# Altium PCB PCB1.PcbDoc (part 1 of 3)
Units mm, origin at the board's own origin, x right, y up, seen from the top; angles counter-clockwise.
Board outline 100 x 72 mm, 4 copper layers (Top Layer(signal), Int1 (GND), Int2 (3v3), Bottom Layer(powersupply_signals)), stack 1.509 mm thick; 175 components, 113 nets, 586 pads, 227 vias.
Unrouted connection lines stored in the file: 49.
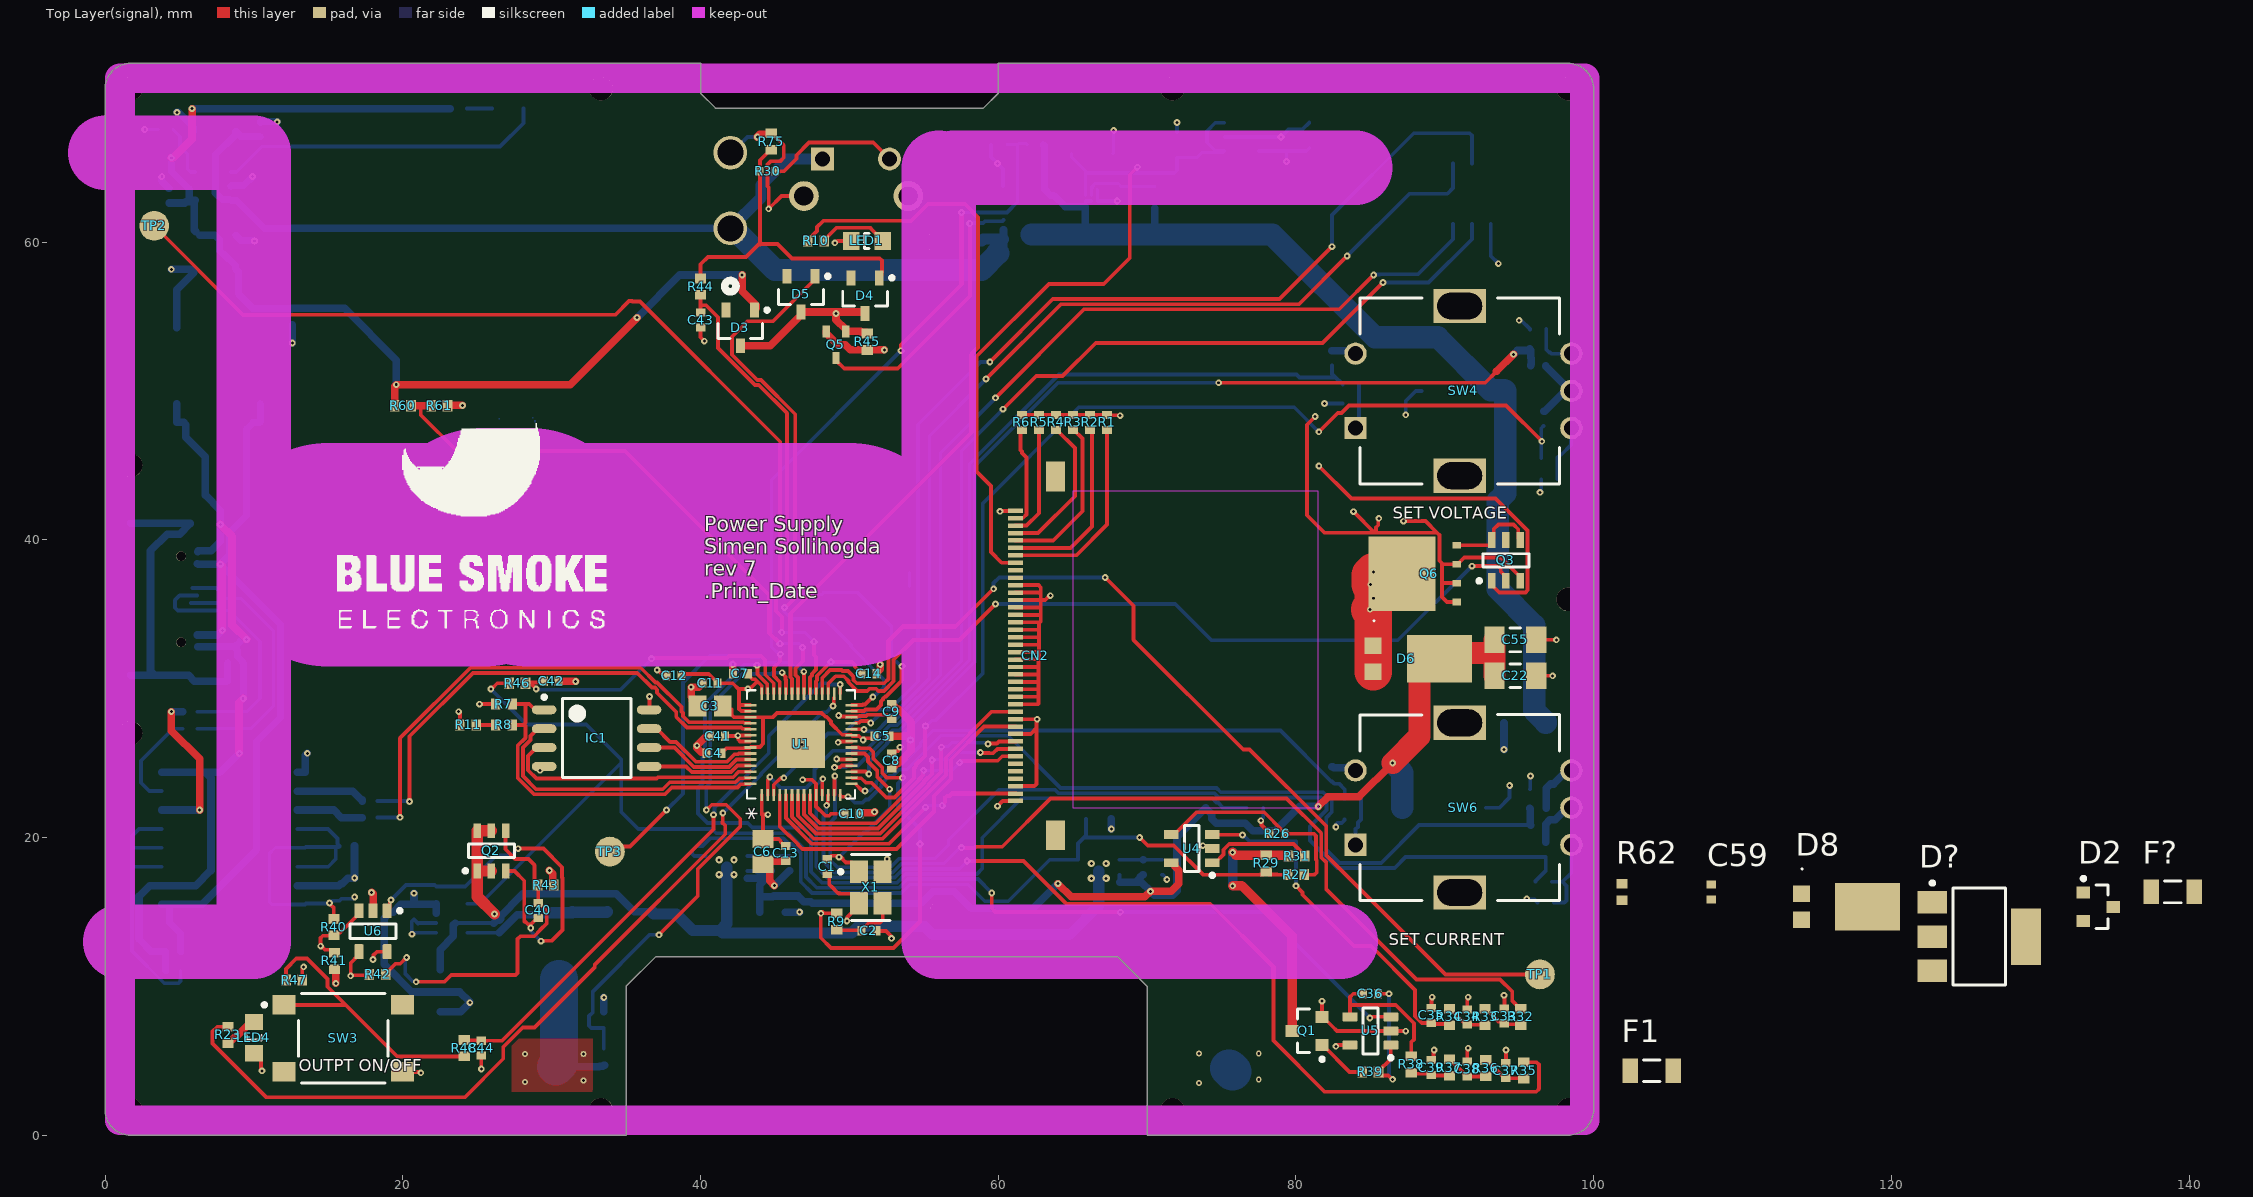
[diagram p0: Top Layer(signal) view]
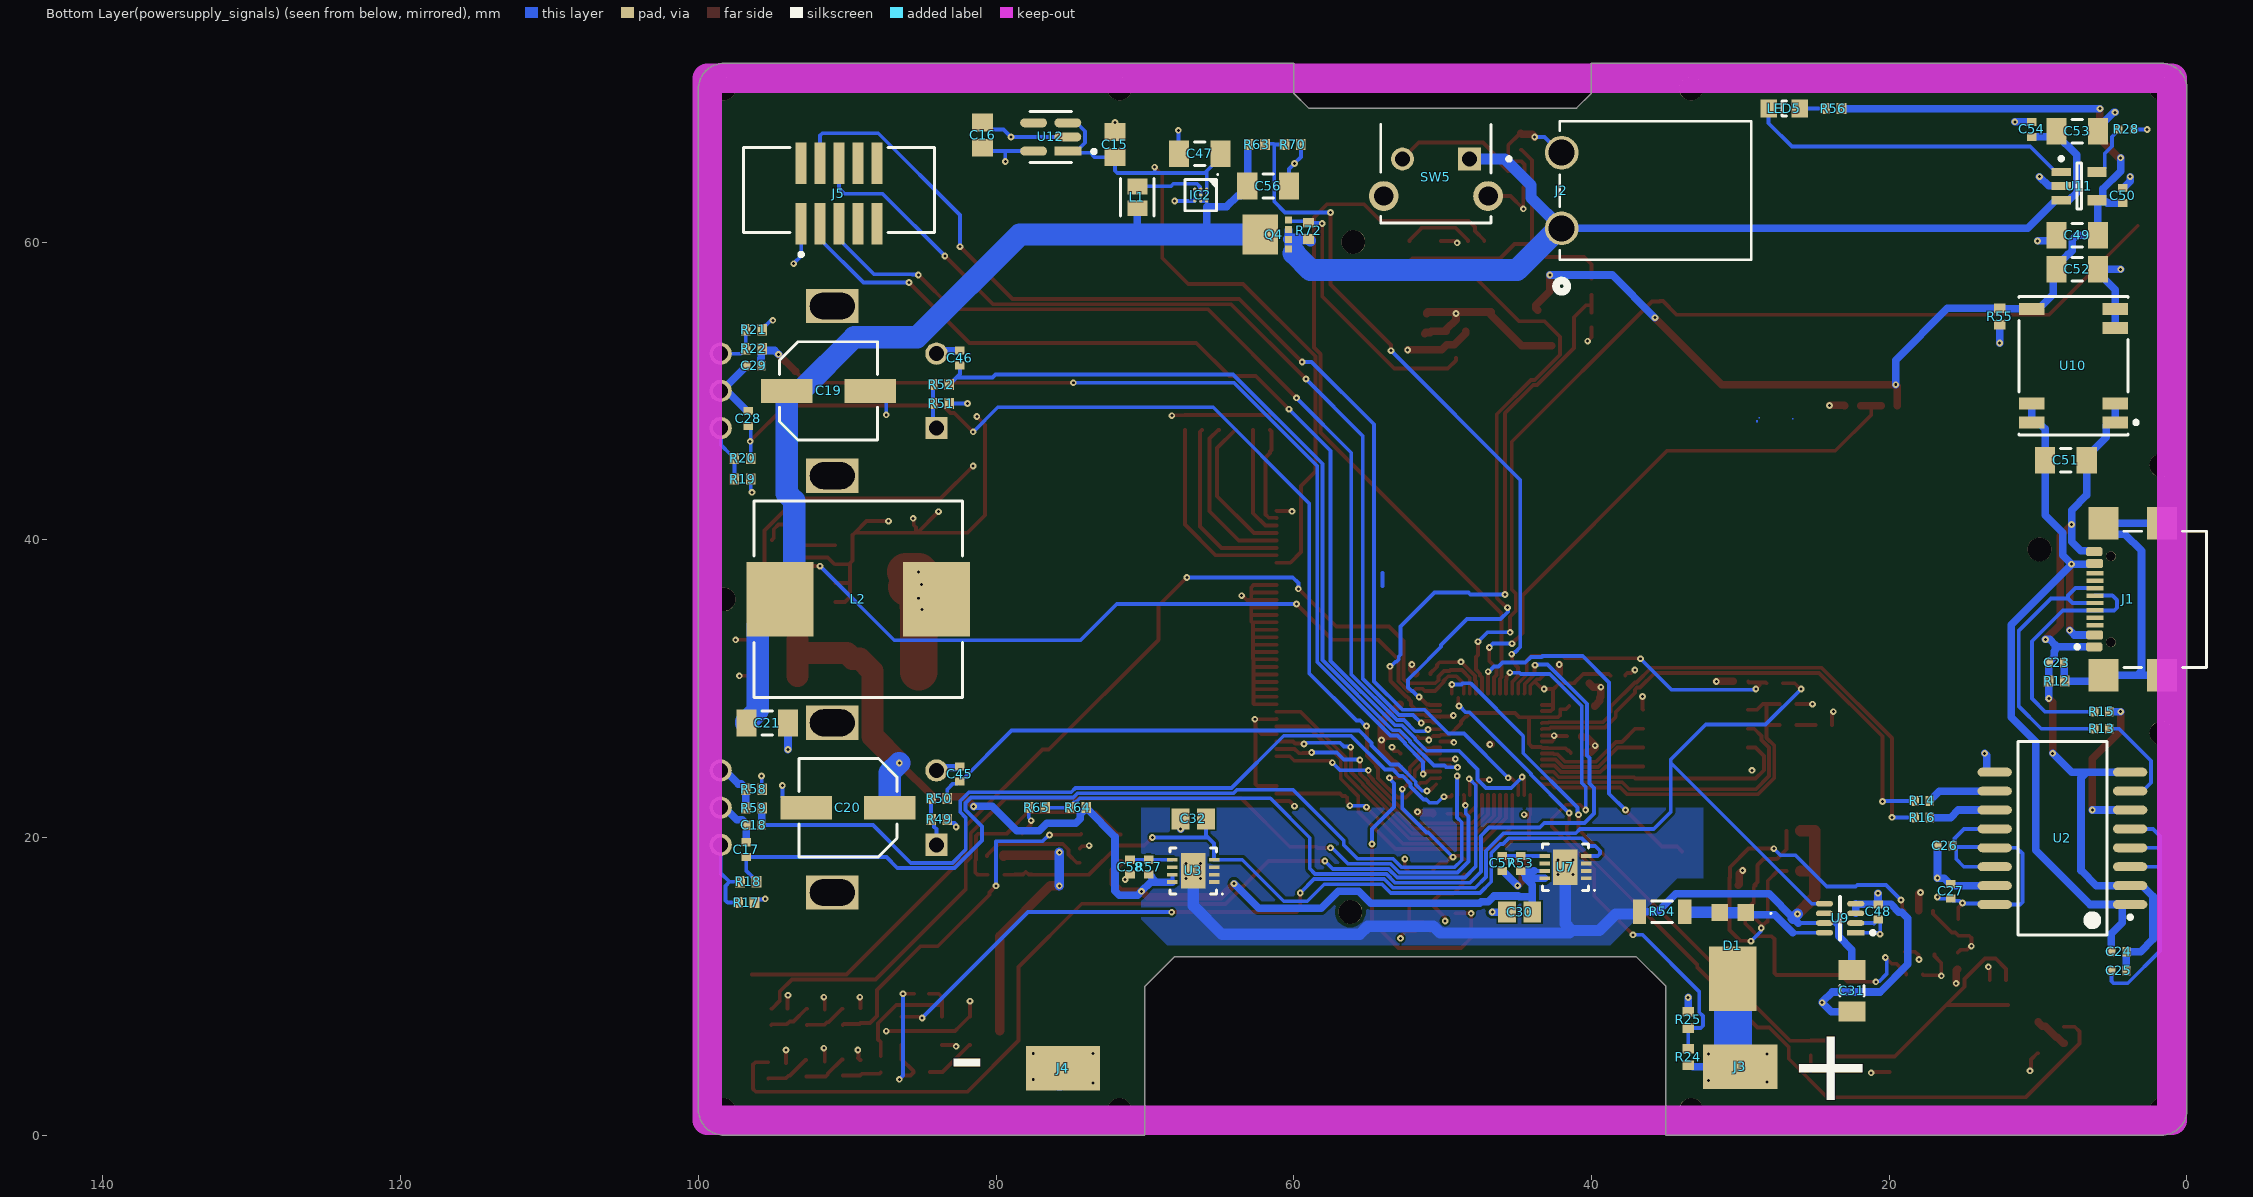
[diagram p1: Bottom Layer(powersupply_signals) view, seen from below]
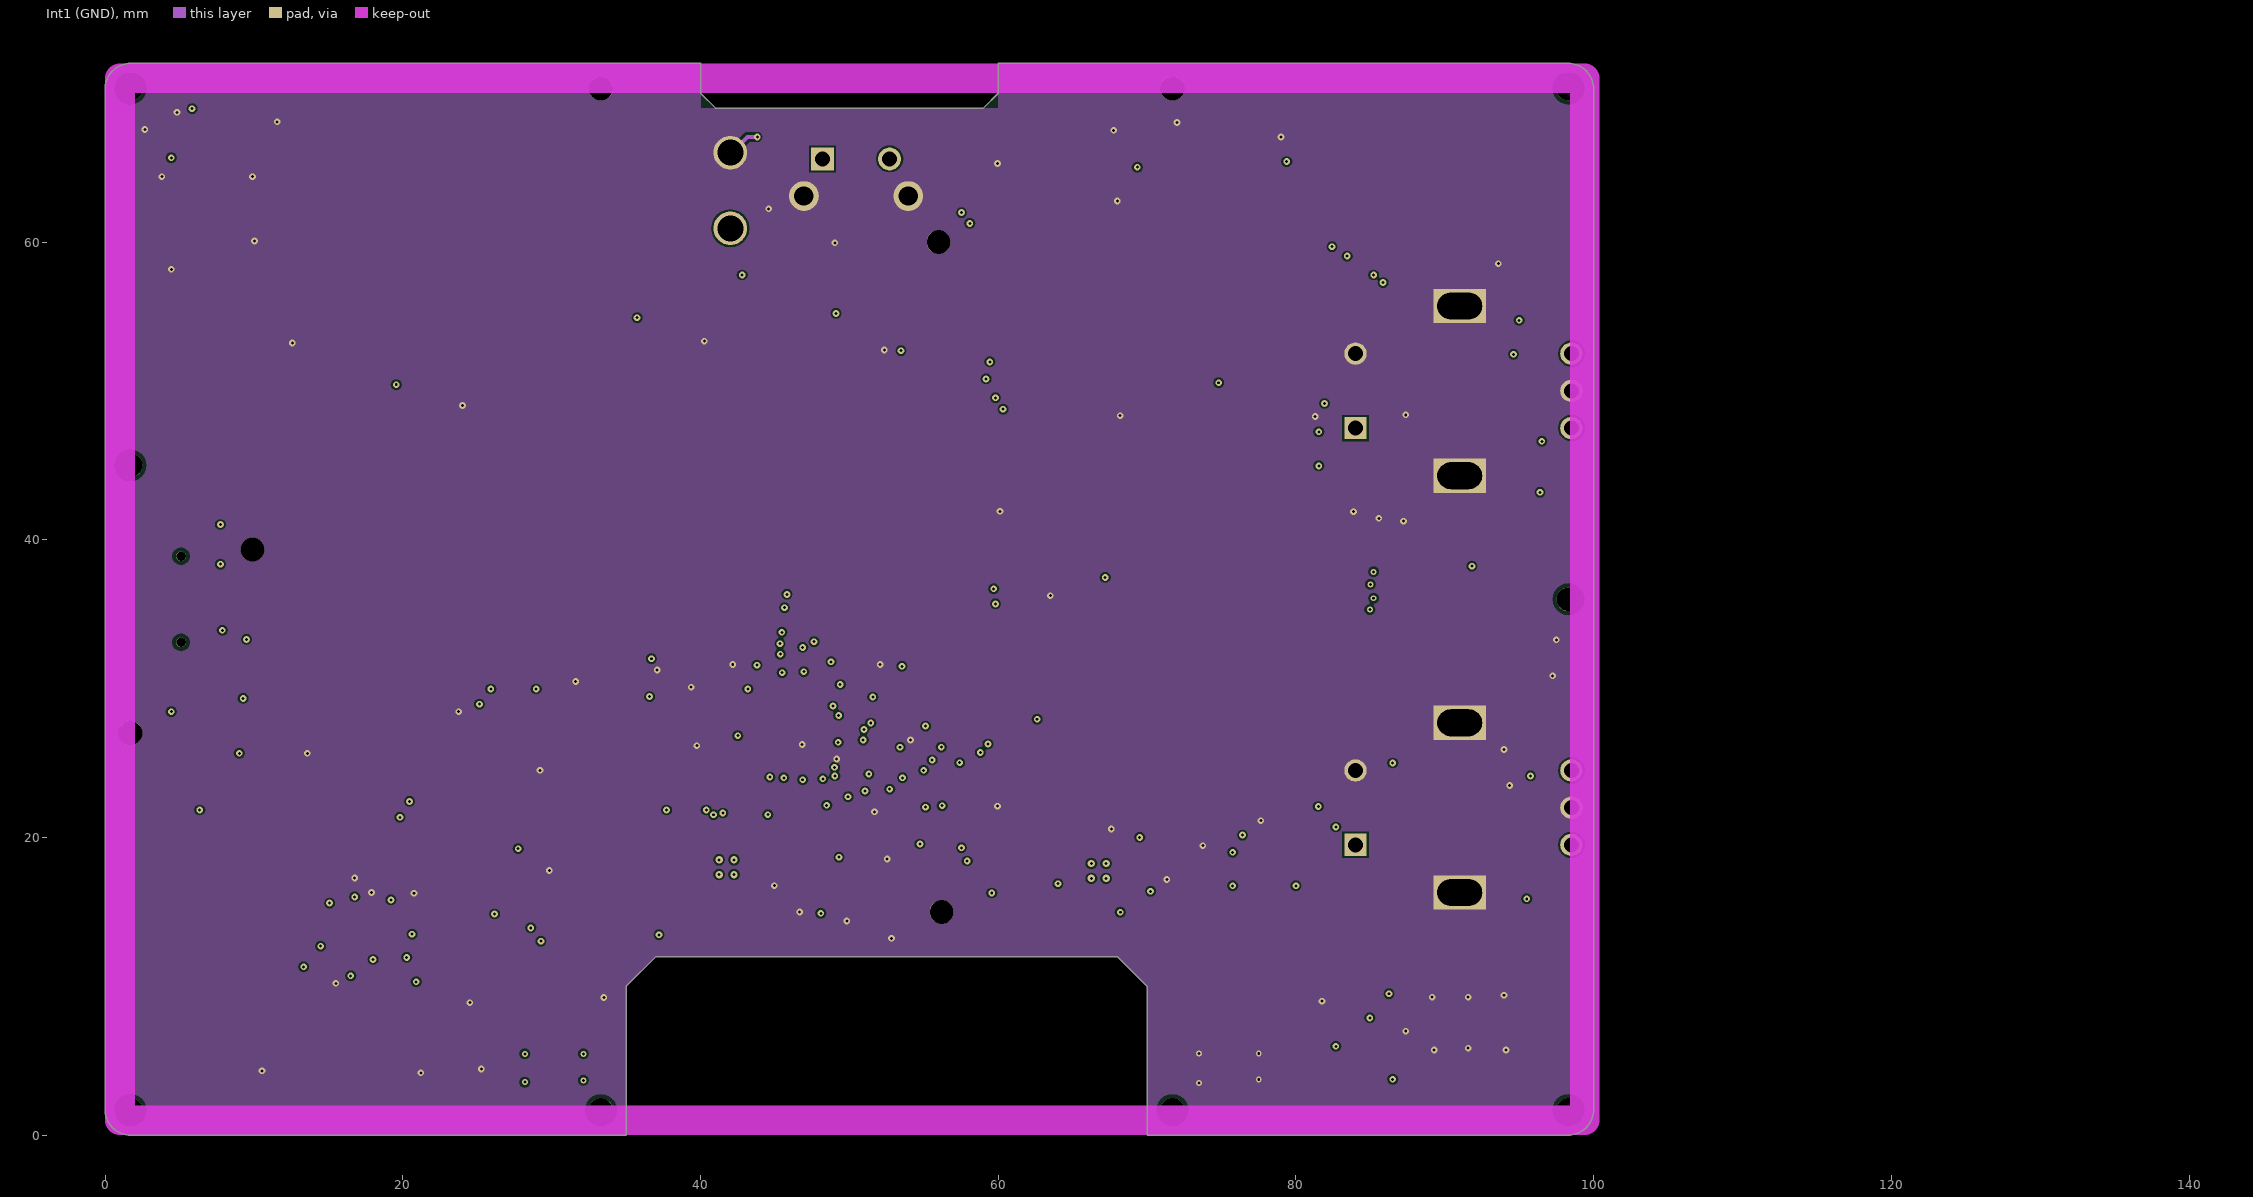
[diagram p2: Int1 (GND)]
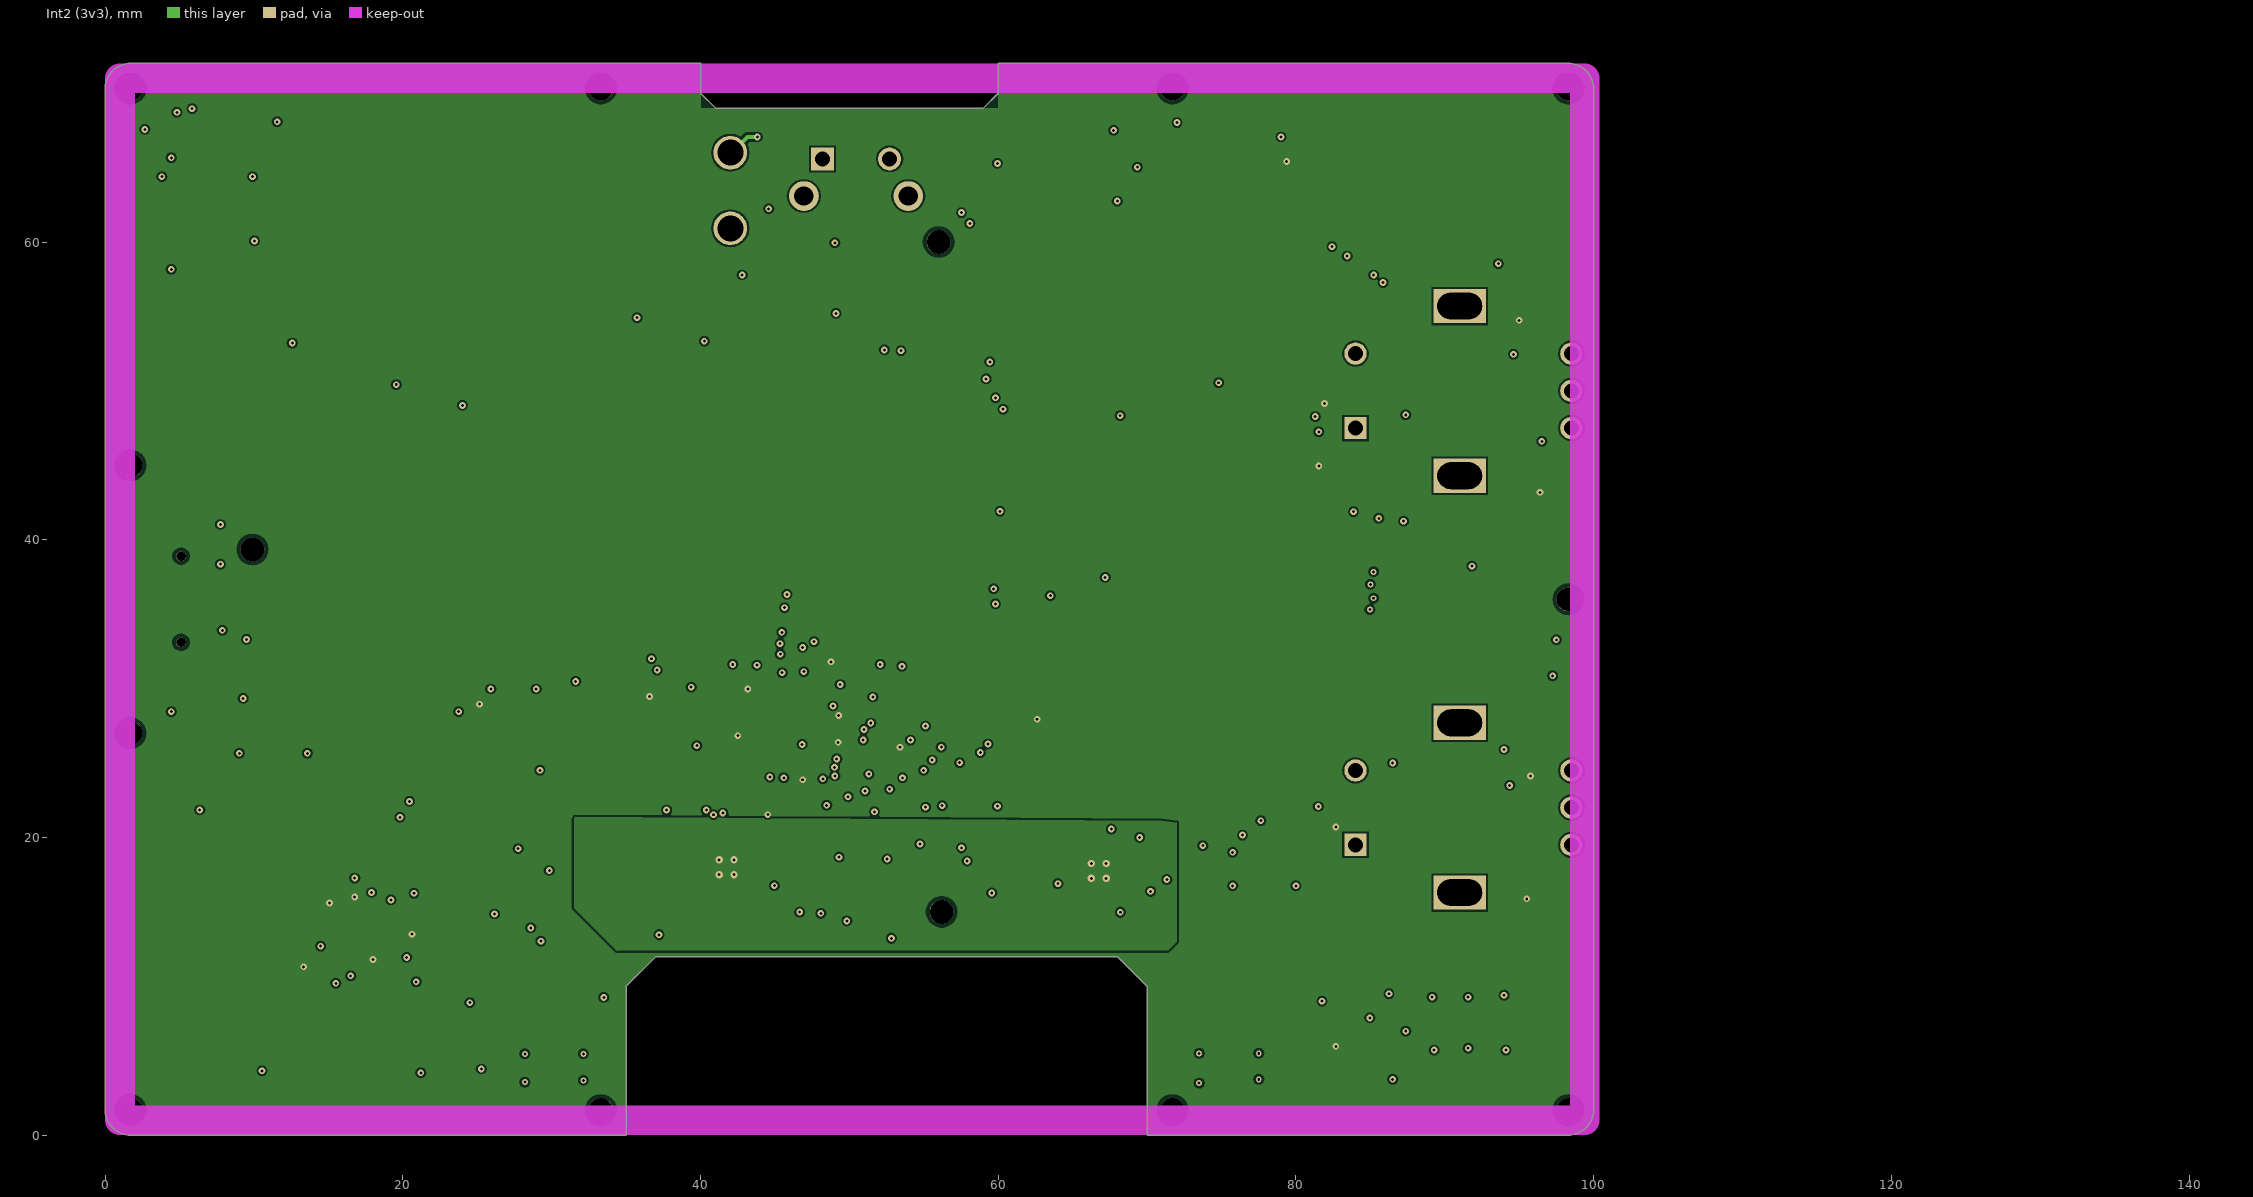
[diagram p3: Int2 (3v3)]

## Layer stack, top to bottom
Top Solder: solder mask 0.0254, SM-001, Dk 4
Top Layer(signal): signal copper 0.035
Dielectric 2: prepreg 0.1295, PP-017, Dk 4.3
Int1 (GND): signal copper 0.035
Dielectric 3: core 1.1101, Core-039, Dk 4.8
Int2 (3v3): signal copper 0.035
Dielectric 4: prepreg 0.1295, PP-017, Dk 4.3
Bottom Layer(powersupply_signals): signal copper 0.035
Bottom Solder: solder mask 0.0254, SM-001, Dk 4

## Board outline
59,69 60,70 60,72 98.293,72 cw(c98.293,70.293) 99.5,71.5 cw(c98.293,70.293) 100,70.293 100,1.707 cw(c98.293,1.707) 99.5,0.5 cw(c98.293,1.707) 98.293,0 70,0 70,10 68,12 37,12 35,10 35,0 1.707,0 cw(c1.707,1.707) 0.5,0.5 cw(c1.707,1.707) 0,1.707 0,70.293 cw(c1.707,70.293) 0.5,71.5 cw(c1.707,70.293) 1.707,72 40,72 40,69.992 41,69

## Design rules (kind name [scope] priority, off if disabled: settings)
AssemblyTestPointUsage [All] p1: allowmultiple=TRUE
AssemblyTestpoint [(IsVia)] p1: testpointundercomponent=FALSE minsize=0.4 maxsize=2.54 preferedsize=1.524 minholesize=0 maxholesize=1.016 preferedholesize=0.813 testpointgrid=0.025 usegrid=FALSE gridtolerance=0 allowsidetop=TRUE allowsidebottom=TRUE
BoardOutlineClearance [(OnLayer('Bottom Layer') OR OnLayer('Top Layer') ) and not InAnyComponent] p1: gap=0.254 ignorepadtopadclearanceinfootprint=FALSE except(0: Arc-SplitContinuation Track-SplitContinuation SMDPad-SplitContinuation THPad-SplitContinuation Via-SplitContinuation Fill-SplitContinuation Poly-SplitContinuation Region-SplitContinuation Text-SplitContinuation; 1: Track-OutlineEdge SMDPad-OutlineEdge THPad-OutlineEdge Via-OutlineEdge; 3: Text-OutlineEdge)
Clearance [All] p1: gap=0.127 ignorepadtopadclearanceinfootprint=FALSE except(0.09: Arc-Arc Arc-Track Track-Track; 0.152: Hole-Hole; 0.2: Arc-THPad Arc-Via Arc-Fill Arc-Poly Arc-Region Arc-Text Track-THPad Track-Via Track-Fill Track-Poly Track-Region Track-Text; 0.254: SMDPad-Hole THPad-Hole Via-Hole Fill-Hole Poly-Hole Region-Hole Text-Hole; 0.33: Arc-Hole Track-Hole)
FabricationTestPointUsage [All] p1: valid=2 allowmultiple=TRUE
FabricationTestpoint [(IsVia)] p1: side=3 testpointundercomponent=TRUE minsize=1.016 maxsize=2.54 preferedsize=1.524 minholesize=0.2 maxholesize=1.016 preferedholesize=0.813 testpointgrid=0.025 allowsidetop=TRUE allowsidebottom=TRUE usegrid=FALSE gridtolerance=0
Height [All] p1: minheight=0 maxheight=100 prefheight=12.7
HoleSize [All] p1: absolutevalues=TRUE maxlimit=6.3 minlimit=0.2 maxpercent=80.000 minpercent=20.000
MinimumAnnularRing [All and not IsVia] p1: minimumring=0.15
PolygonConnect [All] p1: connectstyle=Direct reliefconductorwidth=0.254 reliefentries=4 polygonreliefangle="90 Angle" airgapwidth=0.254
RoutingVias "power via" [Powerpath] p1: holewidth=0.5 width=1 viastyle="Through Hole" minholewidth=0.2 minwidth=0.45 maxholewidth=6.3 maxwidth=2
RoutingVias [All] p2: holewidth=0.2 width=0.45 viastyle="Through Hole" minholewidth=0.2 minwidth=0.45 maxholewidth=6.3 maxwidth=2
SilkToSilkClearance [All] p1 off: silktosilkclearance=0.254
SilkToSolderMaskClearance [IsPad] p1: minsilkscreentomaskgap=0.15 clearancetoexposedcopper=FALSE
SolderMaskExpansion [IsVia] p1: expansion=0.05 istentingtop=TRUE useseparateexpansions=TRUE expansionbottom=0.05 istentingbottom=TRUE
SolderMaskExpansion SolderMaskExpansion_1 [All] p2: expansion=0.05 istentingtop=FALSE
UnRoutedNet [All] p1: checkbadconnections=TRUE
Width Width_2 [InNet('GND')] p1: maxlimit=2.54 minlimit=0.254 preferedwidth=0.254 minimp=50.000000 maximp=50.000000 favimp=50.000000
Width Width_1 [InNetClass('Powerpath')] p2: maxlimit=2.54 minlimit=0.508 preferedwidth=0.762 minimp=50.000000 maximp=50.000000 favimp=50.000000
Width [All] p3: maxlimit=2.54 minlimit=0.09 preferedwidth=0.254 minimp=50.000000 maximp=50.000000 favimp=50.000000
21 further rules are at their usual default settings.

## Classes and differential pairs
net class Powerpath: ISO_5V NetC31_2 NetD1_1 NetD1_2 NetD6_2 USB_GND USB_VBUS V_BOOST VBAT VBAT_neveroff
component class power: C15 C16 C23 C24 C25 C26 C27 C43 C47 C49 C50 C51 C52 C53 C54 C56 D3 D4 D5 F1 IC2 J1 J2 L1 LED5 Q4 Q5 R12 R13 R14 R15 R16 R28 R30 R44 R45 R55 R56 R60 R61 R63 R70 R72 R75 SW5 U2 U10 U11 U12
component class Regulator: C19 C20 C21 C22 C30 C31 C32 C33 C34 C35 C36 C37 C38 C39 C40 C42 C48 C55 C57 C58 C59 D1 D2 D6 D8 D? F? J3 J4 L2 Q1 Q2 Q3 Q6 R24 R25 R26 R27 R29 R31 R32 R33 R34 R35 R36 R37 R38 R39 R40 R41 R42 R43 R46 R53 R54 R57 R62 R64 R65 U3 U4 U5 U6 U7 U9
component class Controll: C1 C2 C3 C4 C5 C6 C7 C8 C9 C10 C11 C12 C13 C14 C17 C18 C28 C29 C41 C44 C45 C46 CN2 IC1 J5 LED1 LED4 R1 R2 R3 R4 R5 R6 R7 R8 R9 R10 R11 R17 R18 R19 R20 R21 R22 R23 R47 R48 R49 R50 R51 R52 R58 R59 SW3 SW4 SW6 TP1 TP2 TP3 U1 X1
